# Altium PCB FE1.1S-去丝印.PcbDoc
Units mm, origin at the board's own origin, x right, y up, seen from the top; angles counter-clockwise.
Board outline 60 x 60 mm, 2 copper layers (Top Layer, Bottom Layer), stack 1.569 mm thick; 36 components, 31 nets, 144 pads, 99 vias.
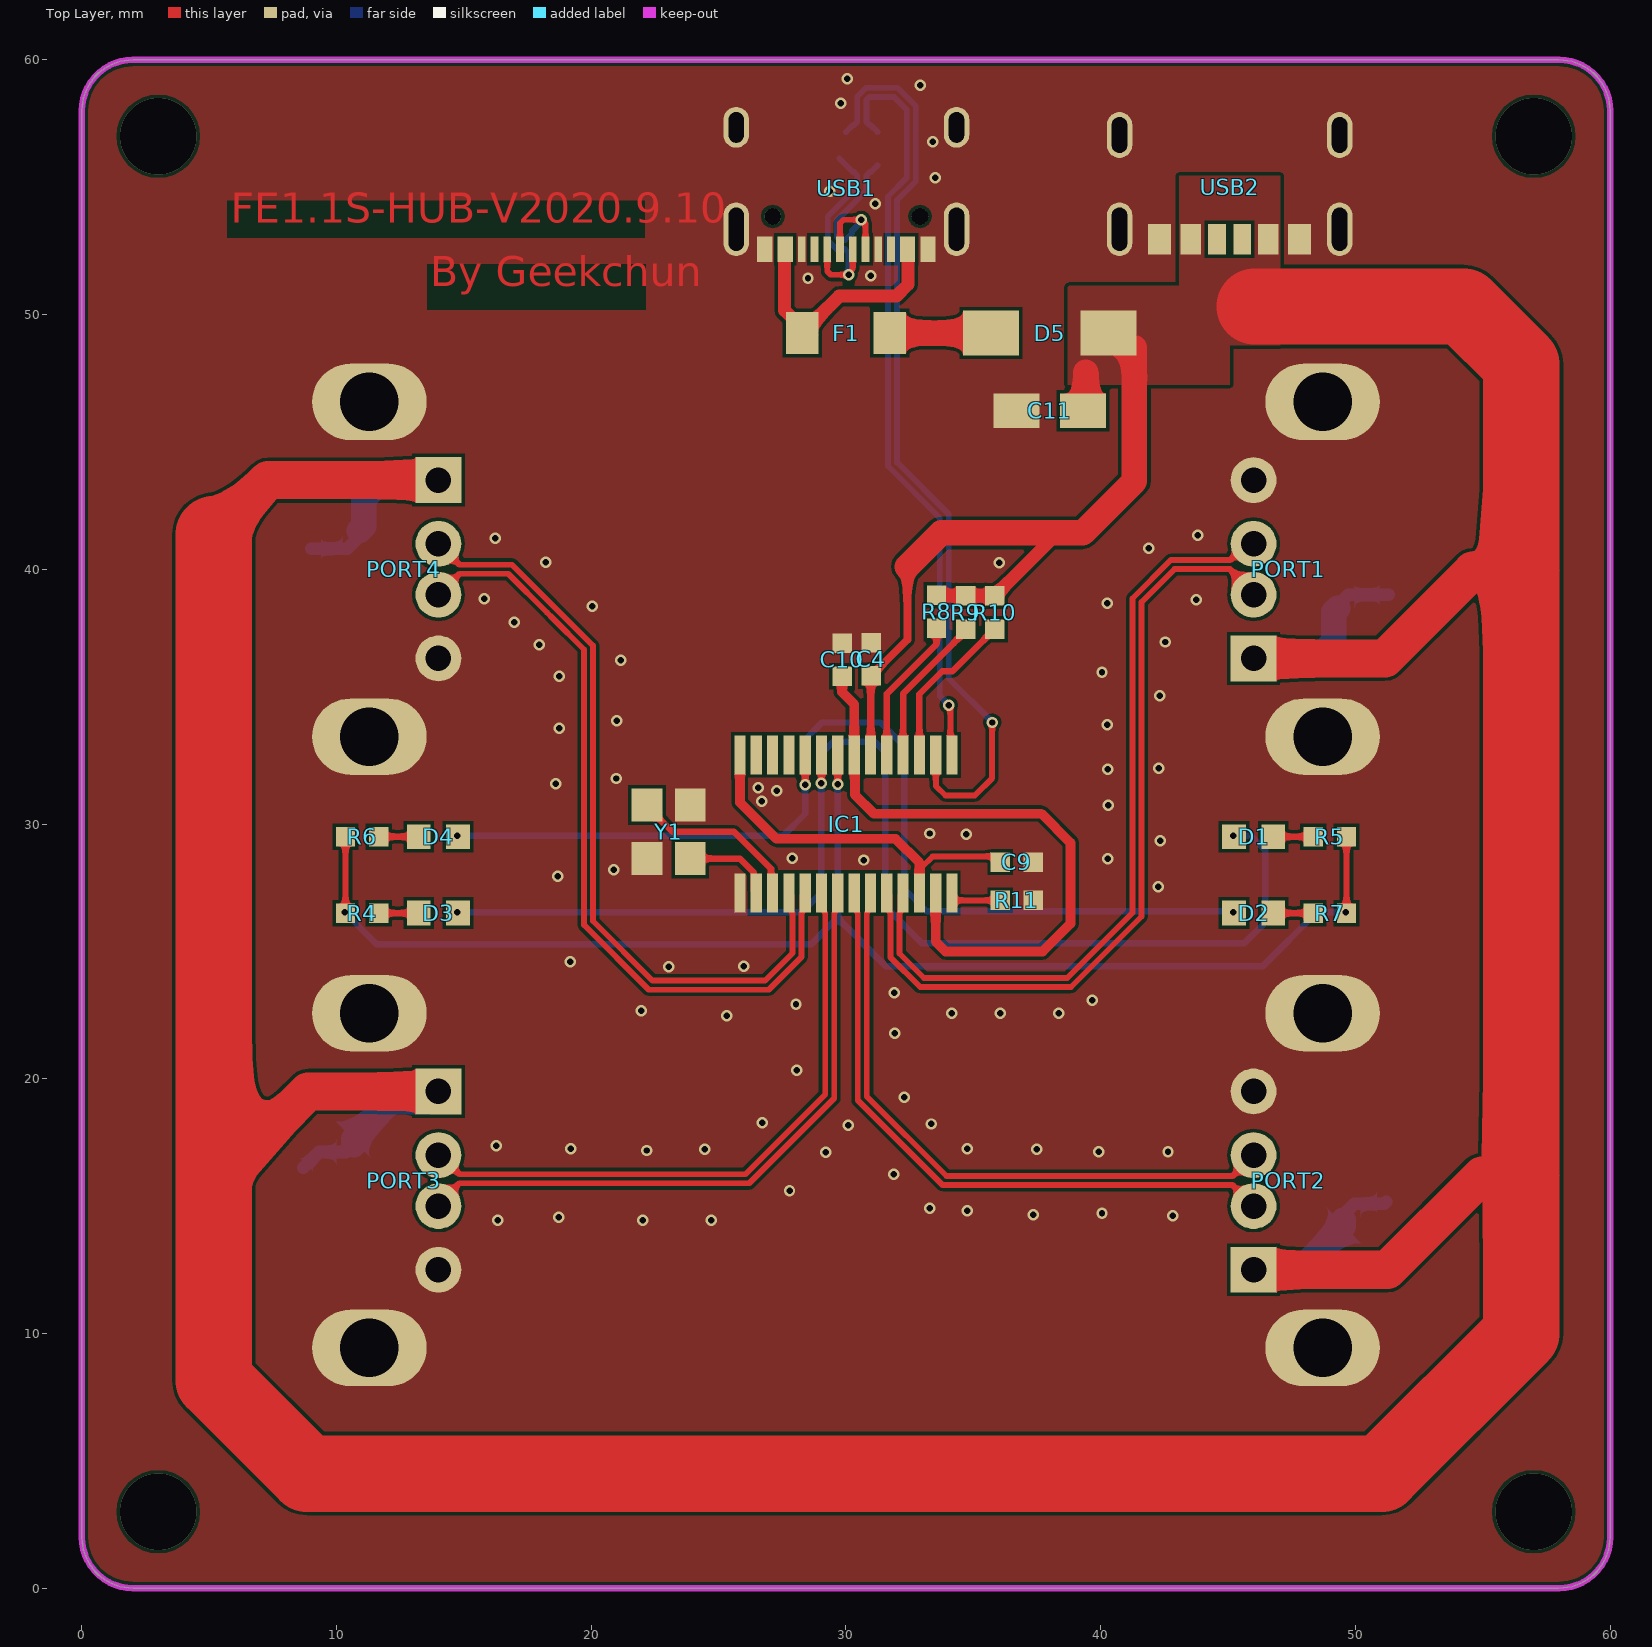
[diagram p0: Top Layer view]
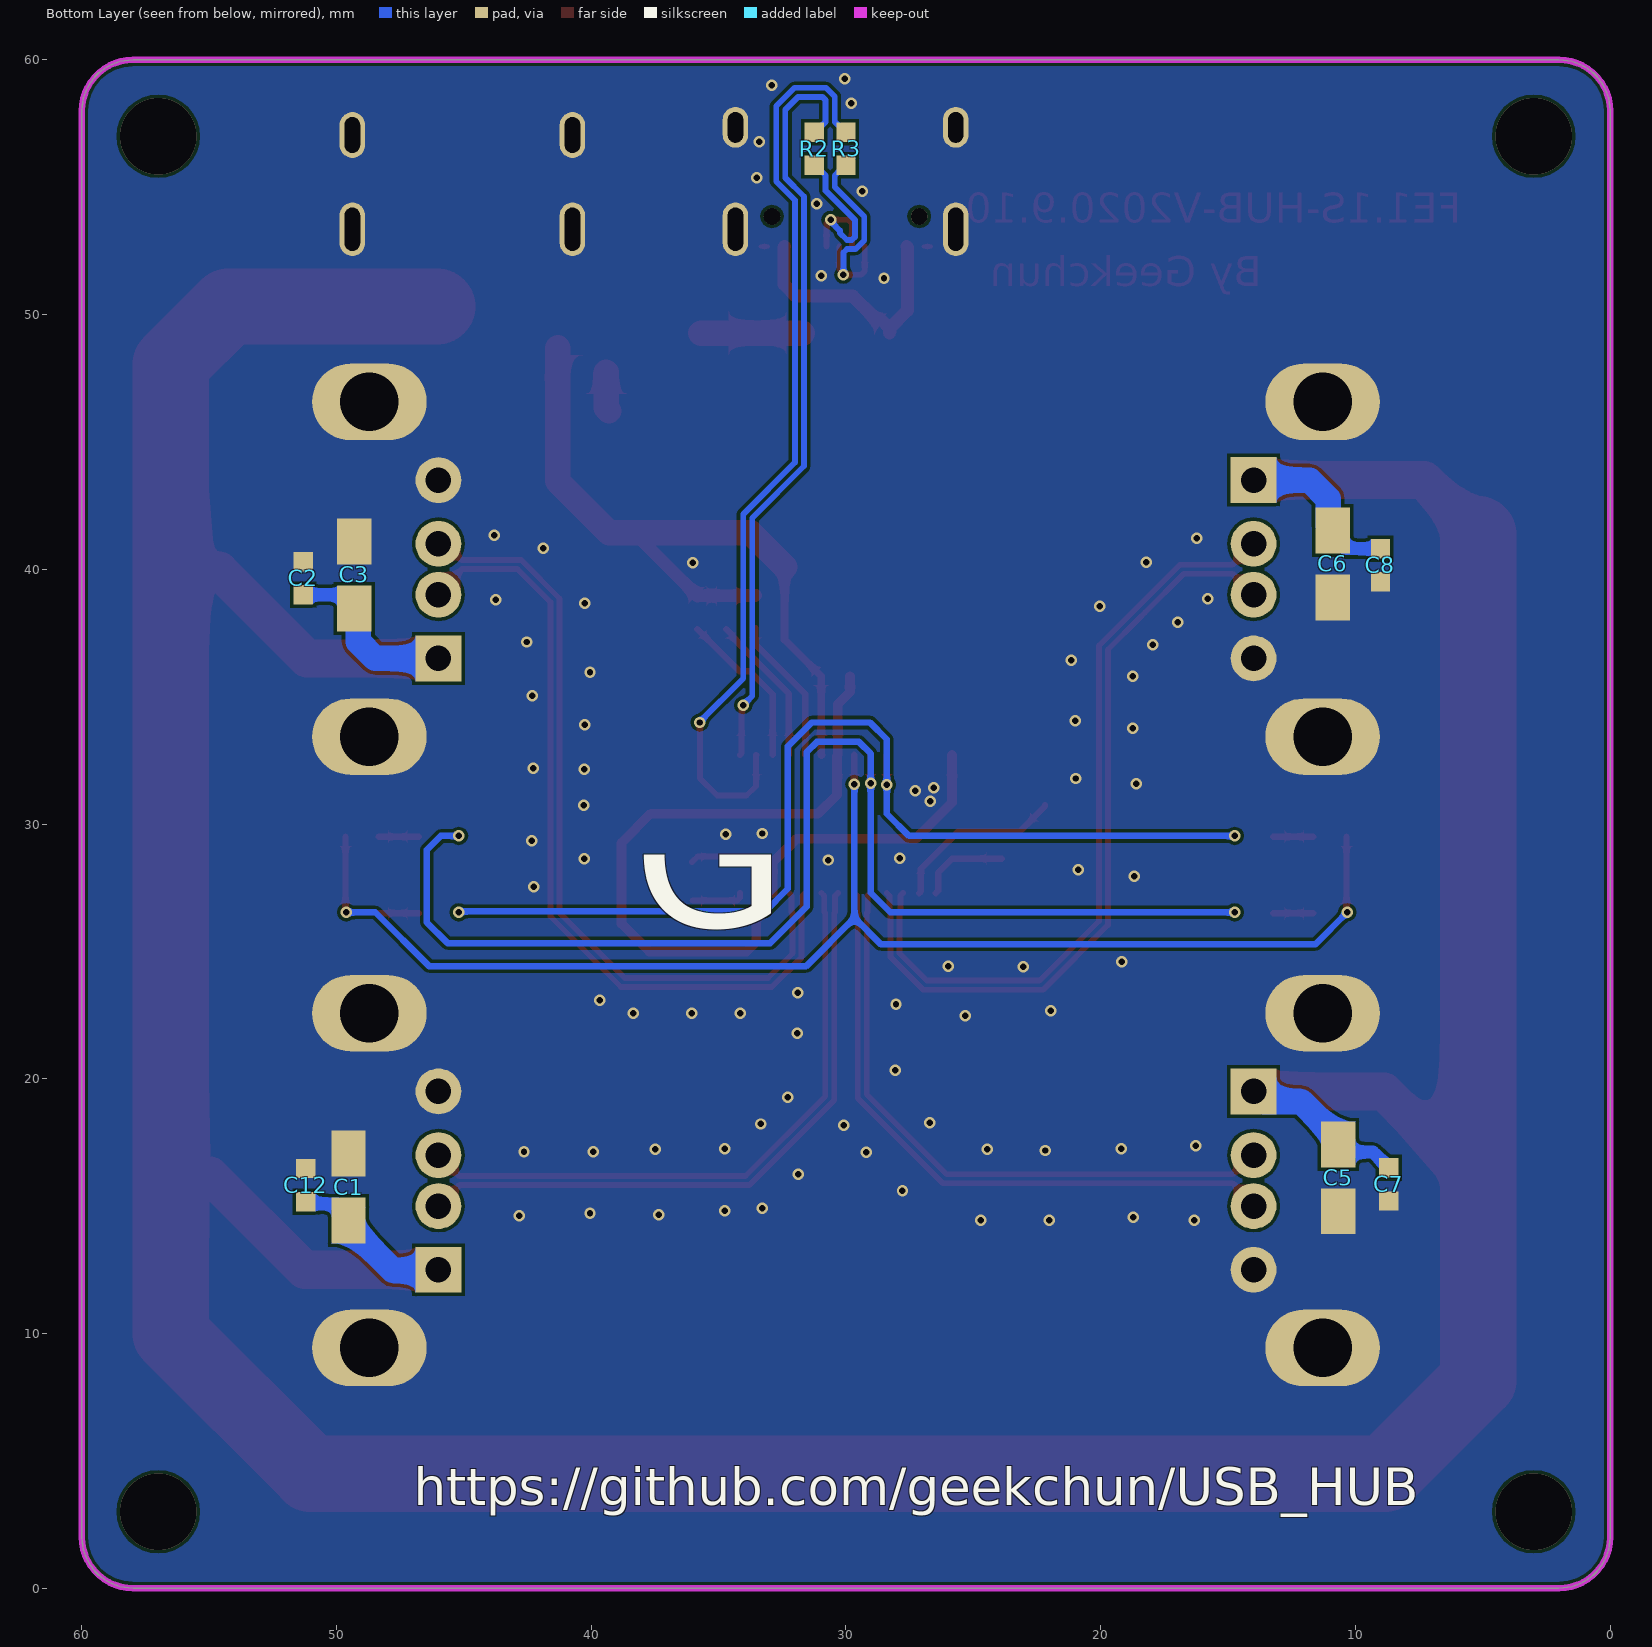
[diagram p1: Bottom Layer view, seen from below]
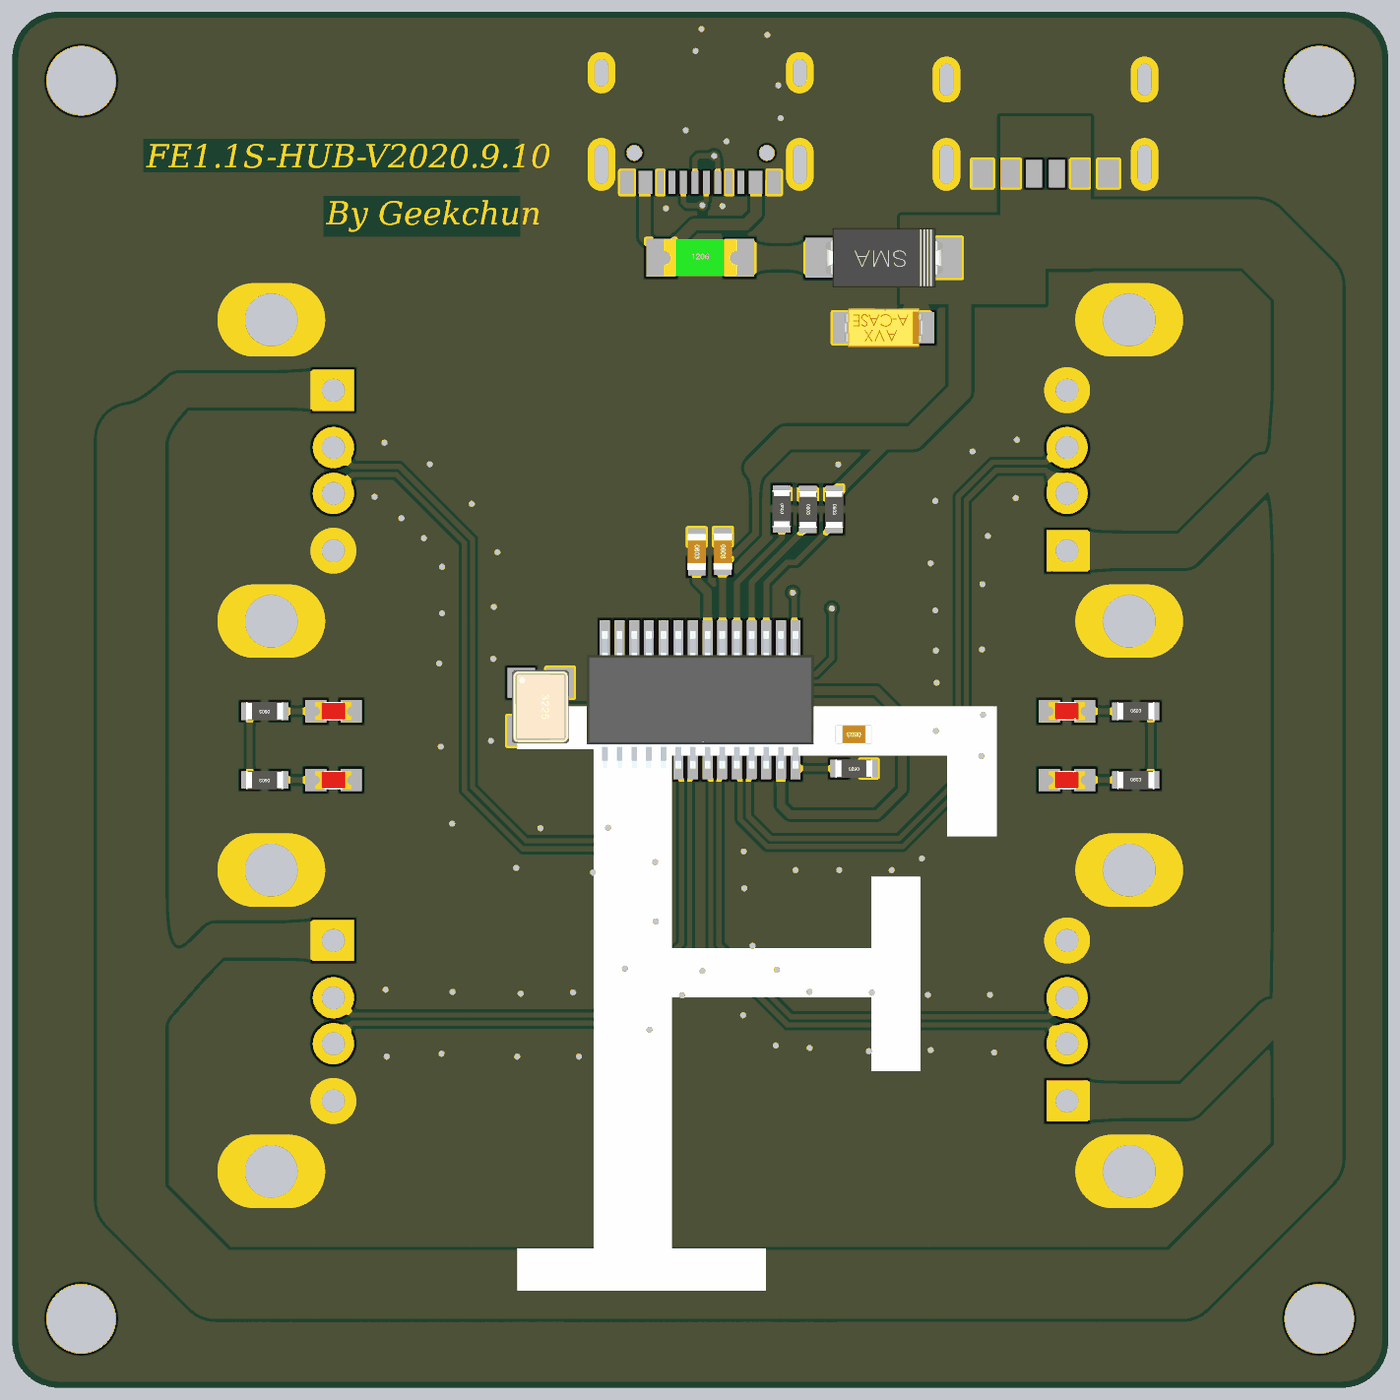
[diagram p2: 3D render of the assembled board from above, using the file's embedded part models]
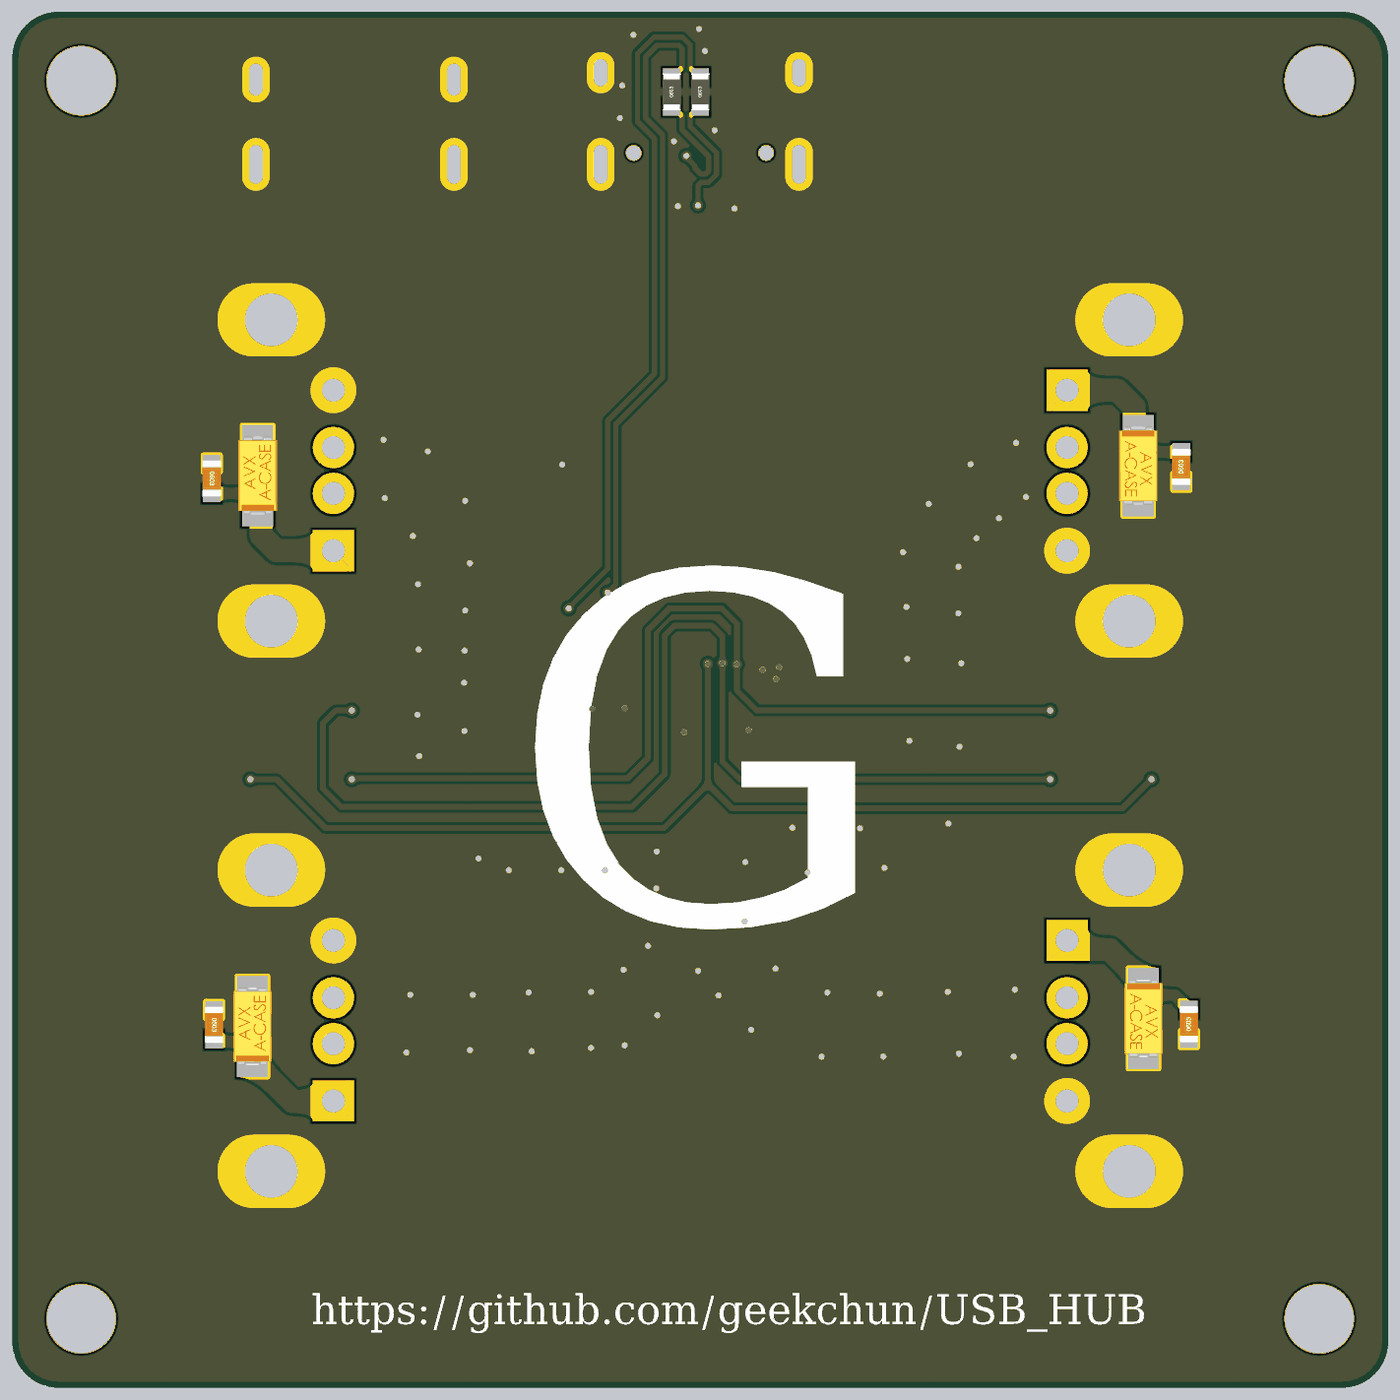
[diagram p3: 3D render of the assembled board from below, using the file's embedded part models]

## Layer stack, top to bottom
Top Solder: solder mask 0.0254, SM-001, Dk 4
Top Layer: signal copper 0.035
Dielectric 1: core 1.4986, Core-043, Dk 4.3
Bottom Layer: signal copper 0.035
Bottom Solder: solder mask 0.0254, SM-001, Dk 4

## Board outline
0,2 0,58 cw(c2,58) 2,60 58,60 cw(c58,58) 60,58 60,2 cw(c58,2) 58,0 2,0 cw(c2,2)

## Design rules (kind name [scope] priority, off if disabled: settings)
Clearance [All] p1: gap=0.127 ignorepadtopadclearanceinfootprint=TRUE
DiffPairsRouting [All] p1: maxlimit=0.127 minlimit=0.127 mostfreqgap=0.127 toplayer_minwidth=0.229 toplayer_maxwidth=0.229 toplayer_prefwidth=0.229 bottomlayer_minwidth=0.229 bottomlayer_maxwidth=0.229 bottomlayer_prefwidth=0.229 maxuncoupledlength=12.7
PolygonConnect [All] p1: connectstyle=Direct reliefconductorwidth=0.254 reliefentries=4 polygonreliefangle="90 Angle" airgapwidth=0.254
RoutingVias [All] p1: holewidth=0.711 width=1.27 viastyle="Through Hole" minholewidth=0.2 minwidth=0.45 maxholewidth=0.711 maxwidth=1.27
SolderMaskExpansion [All] p1: expansion=0.102 istentingtop=FALSE
Width [All] p1: maxlimit=4 minlimit=0.152 preferedwidth=0.305 bottomlayer_prefwidth=0.254 minimp=50.000000 maximp=50.000000 favimp=50.000000
29 further rules are at their usual default settings.

## Classes and differential pairs
differential pair NewDifferentialPair6: +DP4 -DM4
differential pair NewDifferentialPair5: +DP3 -DM3
differential pair NewDifferentialPair4: +DP2 -DM2
differential pair NewDifferentialPair3: +USB_DP -USB_DM
differential pair NewDifferentialPair2: +DP -DN
differential pair NewDifferentialPair1: +DP1 -DM1

## Components (designator, comment, footprint, x,y, rotation, side; value= is the part's Value field where it differs from the comment)
C1 "10uF" CASE-A_3216 49.53,15.748 r270 bottom
C2 "0.1uF" "C 0603_L" 51.308,39.649 r270 bottom
C3 "10uF" CASE-A_3216 49.301,39.776 r270 bottom
C4 "0.1uF" "C 0603_L" 30.988,36.464 r270 top
C5 "10uF" CASE-A_3216 10.668,16.104 r90 bottom
C6 "10uF" CASE-A_3216 10.897,40.208 r90 bottom
C7 "0.1uF" "C 0603_L" 8.687,15.85 r90 bottom
C8 "0.1uF" "C 0603_L" 9.017,40.157 r90 bottom
C9 "0.1uF" "C 0603_L" 36.703,28.499 r180 top
C10 "0.1uF" "C 0603_L" 29.845,36.449 r270 top
C11 "10uF" CASE-A_3216 38,46.228 r0 top
C12 "0.1uF" "C 0603_L" 51.206,15.824 r270 bottom
D1 "蓝灯 0603" 0603_LED_S1 46,29.5 r0 top
D2 "蓝灯 0603" 0603_LED_S1 46,26.5 r0 top
D3 "蓝灯 0603" 0603_LED_S1 14,26.5 r0 top
D4 "蓝灯 0603" 0603_LED_S1 14,29.5 r0 top
D5 "1N5822" SMA 38,49.276 r0 top
F1 "Fuse" "FU 1206" 30,49.276 r0 top
IC1 "FE1.1S" SOP64P600X175-28N 30,30 r90 top
PORT1 "USB2.0" USB-A/S_A 46,40 r0 top
PORT2 "USB2.0" USB-A/S_A 46,16 r0 top
PORT3 "USB2.0" USB-A/S_A 14,16 r180 top
PORT4 "USB2.0" USB-A/S_A 14,40 r180 top
R2 "22R" "R 0603_L" 31.242,56.515 r90 bottom
R3 "22R" "R 0603_L" 30,56.515 r90 bottom
R4 "2K" "R 0603_L" 11,26.5 r180 top
R5 "2K" "R 0603_L" 49,29.5 r0 top
R6 "2K" "R 0603_L" 11,29.5 r180 top
R7 "2K" "R 0603_L" 49,26.5 r0 top
R8 "100K" "R 0603_L" 33.553,38.329 r270 top
R9 "100K" "R 0603_L" 34.696,38.303 r270 top
R10 "100K" "R 0603_L" 35.839,38.303 r270 top
R11 "2.7K" "R 0603_L" 36.703,27 r180 top
USB1 "Type-C" USB_TYPE_C_16P 30,56.15 r90 top
USB2 "TYPE-C-6P" "USB TYPEC6P" 45.06,55 r180 top
Y1 "12MHZ" "OSC 3225-4P" 23.038,29.693 r270 top

## Footprints (in the part's own frame and the unit in brackets; to place one, negate y for a bottom-side part, rotate by r counter-clockwise, add the part's x,y. Pads: shape width x height; smd on the part's side, far side on the other; paste and mask are expansions set on the pad)
0603_LED_S1 [mm]
  rect 0.93x0.98 smd: A(0.77,0) K(-0.77,0)
  body extent -0.8,-0.4 0.8,0.4, height 0.6
"C 0603_L" [mil] "无极性贴片电容"
  rect 30x30 smd: 1(-25.59,0) 2(25.59,0)
  body extent -31,-16 31,16, height 32
CASE-A_3216 [mm]
  rect 1.8x1.35 smd: 1(1.31,0) 2(-1.31,0)
  body extent -1.7,-0.84 1.7,0.84, height 1.71
"FU 1206" [mil] "贴片保险丝"
  rect 50x65 smd: 1(-67.5,0) 2(67.5,0)
  body extent -63,-32 63,32, height 34
"OSC 3225-4P" [mm] "3.2*2.5*0.7mm(长宽高)"
  rect 1.3x1.2 smd: 1(-1.05,-0.85) 2(1.05,-0.85) 3(1.05,0.85) 4(-1.05,0.85)
  body extent -1.6,-1.25 1.6,1.25, height 0.7
"R 0603_L" [mil] "1/10W贴片电阻"
  rect 30x30 smd: 1(-25.59,0) 2(25.59,0)
  body extent -31,-16 31,16, height 16
SMA [mm] "4.5x2.6*2.2mm（长宽高，不包括引脚）"
  rect 2.2x1.75 smd: 1(-2.3,0) 2(2.3,0)
  body extent -2.53,-1.3 2.58,1.3, height 2.15
SOP64P600X175-28N [mm]
  rect 1.525x0.44 smd: 1(-2.712,4.16) 2(-2.712,3.52) 3(-2.712,2.88) 4(-2.712,2.24) 5(-2.712,1.6) 6(-2.712,0.96) 7(-2.712,0.32) 8(-2.712,-0.32) 9(-2.712,-0.96) 10(-2.712,-1.6) 11(-2.712,-2.24) 12(-2.712,-2.88) 13(-2.712,-3.52) 14(-2.712,-4.16) 15(2.712,-4.16) 16(2.712,-3.52) 17(2.712,-2.88) 18(2.712,-2.24) 19(2.712,-1.6) 20(2.712,-0.96) 21(2.712,-0.32) 22(2.712,0.32) 23(2.712,0.96) 24(2.712,1.6) 25(2.712,2.24) 26(2.712,2.88) 27(2.712,3.52) 28(2.712,4.16)
  body extent -3,-4.95 3,4.95, height 1.75
"USB TYPEC6P" [mm]
  rect 0.7x1.2 smd: A5(-0.5,2.05) B5(0.5,2.05)
  rect 0.8x1.2 smd: A9(1.52,2.05) B9(-1.52,2.05)
  rect 0.9x1.2 smd: A12(2.75,2.05) B12(-2.75,2.05)
  oval 1x2.099 hole 0.6 slot 1.7 at 90 deg: MH1(-4.32,1.65) MH2(4.32,1.65)
  oval 1x1.799 hole 0.6 slot 1.4 at 90 deg: MH3(-4.32,-2.05) MH4(4.32,-2.05)
USB-A/S_A [mm] "A型直插母头，"
  rect 1.8x1.8 hole 1: 1(0,-3.5)
  round 1.8 hole 1: 2(0,-1) 3(0,1) 4(0,3.5)
  oval 4.5x3 hole 2.3: 4(2.71,-6.57) 4(2.71,6.57)
  body extent -0.6,-7.34 13.7,7.34, height 6.8
USB_TYPE_C_16P [mm]
  round 0.65 hole 0.65: 0(-2.299,-2.905) 0(-2.299,2.875)
  oval 1.6x1 hole 0.6 slot 1.2 at 0 deg: 1(1.201,4.31) 2(1.201,-4.34)
  oval 2.1x1 hole 0.6 slot 1.7 at 0 deg: 3(-2.799,-4.34) 4(-2.799,4.31)
  rect 1x0.3 smd: A1(-3.589,-3.365) A4(-3.589,-2.565) A5(-3.589,-1.265) A6(-3.589,-0.265) A7(-3.589,0.235) A8(-3.589,1.235) A9(-3.589,2.535) A12(-3.589,3.335) B1(-3.589,3.035) B4(-3.589,2.235) B5(-3.589,1.735) B6(-3.589,0.735) B7(-3.589,-0.765) B8(-3.589,-1.765) B9(-3.589,-2.265) B12(-3.589,-3.065)

## Part data
C1 C3 C5 C6 C11: library part "3216 10uF (106) 10% 16V", "钽电容", Package=3216, SuppliersPartNumber=C7171, ComponentLink1Description=供应商链接, ComponentLink1URL=http://www.szlcsc.com/product/details_7643.html, Supplier=LC
C2 C4 C7 C8 C12: library part "0603 2.2uF (225) 10% 16V", "贴片电容", Package=0603, SuppliersPartNumber=C23630, ComponentLink1Description=供应商链接, ComponentLink1URL=http://www.szlcsc.com/product/details_24366.html, Supplier=LC
C9 C10: library part "0603 1.2nF (122) 10% 50V", "贴片电容", Package=0603, SuppliersPartNumber=C30615, ComponentLink1Description=供应商链接, ComponentLink1URL=http://www.szlcsc.com/product/details_31372.html, Supplier=LC
D1 D2 D3 D4: library part "0603 蓝灯", "发光二极管", Package=0603, SuppliersPartNumber=C72041, ComponentLink1Description=供应商链接, ComponentLink1URL=http://www.szlcsc.com/product/details_73150.html, Supplier=LC
D5: library part "Diode 1N5400", "3 Amp General Purpose Rectifier", ComponentLink1Description="Manufacturer Link", ComponentLink1URL=http://www.fairchildsemi.com/, ComponentLink2Description=Datasheet, ComponentLink2URL=http://www.fairchildsemi.com/ds/1N%2F1N5400.pdf, DatasheetVersion=1998, LatestRevisionDate=17-Jul-2002, LatestRevisionNote="Re-released for DXP Platform.", PackageDescription="Diode, Axial; Body 9.5 x 5.6 mm (LxDia. max), Lead Dia. 1.32 mm (max)", PackageReference=DO-201AD, PackageVersion=Aug-1999, Published=8-Jun-2000, Publisher="Altium Limited"
F1: Manufacturer="TE Connectivity", PartNumber=NANOSMDC020F-2, Supplier Part Number 1=NANOSMDC020F-2CT-ND, ComponentLink1Description="Datasheet URL", ComponentLink1URL=http://www.te.com/commerce/DocumentDelivery/DDEController?Action=srchrtrv&DocNm=SCD25536&DocType=Customer+Drawing&DocLang=English, CompType=Fuse, LatestRevisionDate=2015-11-23, MountType=SMT, PackageReference=1206, Published=2009-03-05, Publisher="Texas Instruments", ROHS=Y, Rtyp_Ohm=1.875, Supplier 1=Digi-Key, Supplier 2=Mouser, Supplier 3=Farnell, Supplier Part Number 2=650-NANOSMDC020F-2, Supplier Part Number 3=1345939, SymbolCreator=a0412235, SymbolVersion=2013-04-02, VDC_V=24
IC1: "Integrated Circuit", Manufacturer_Name="JFD IC", Arrow Part Number=FE1.1S, Datasheet Link=https://cdn-shop.adafruit.com/product-files/2991/FE1.1s+Data+Sheet+(Rev.+1.0).pdf, Height=1.75mm, Manufacturer_Part_Number=FE1.1S
PORT1 PORT2 PORT3 PORT4: library part USB2.0_1
R2 R3: library part RES
R4 R5 R6 R7 R8 R9 R10 R11: library part "0603 1.1KΩ (1101) 1%", "贴片电阻", Package=0603, SuppliersPartNumber=C22764, ComponentLink1Description=供应商链接, ComponentLink1URL=http://www.szlcsc.com/product/details_23491.html, Supplier=LC
USB2: library part TYPE-C-31-M-17, "Connector", Manufacturer_Name="Korean Hroparts Elec", Arrow Part Number=TYPE-C-31-M-17, Datasheet Link=https://datasheet.lcsc.com/szlcsc/1903211732_Korean-Hroparts-Elec-TYPE-C-31-M-17_C283540.pdf, Height=3.26mm, Manufacturer_Part_Number=TYPE-C-31-M-17
Y1: library part "SMD-3225_4P  12MHZ 20PF 10PPM", "贴片晶振", Package=SMD-3225_4P, SuppliersPartNumber=C9002, ComponentLink1Description=供应商链接, ComponentLink1URL=http://www.szlcsc.com/product/details_9522.html, Supplier=LC

## Via types
v1: diameter 0.45, hole 0.254, Top Layer to Bottom Layer, tented both sides, 95 vias
v2: diameter 3, hole 3, Top Layer to Bottom Layer, 4 vias

## Nets (pads, with @x,y where several pads share a name; then routed paths per layer and width w, separated by ;. In a path a pad name is that pad's centre, name@x,y a point inside that pad or via, vN(x,y) a via of type N, cw(c..) or ccw(c..) an arc to the next point about the centre after c; other vN are vias at no path point)
1.8V: C9.2 IC1.12 IC1.28 | length 15.5
  Top Layer w0.229: IC1.12 32.986,27.394 32.986,28.312 33.401,28.727 35.825,28.727 C9.2
  Top Layer w0.381: IC1.28 25.84,30.841 27.264,29.417 31.949,29.417 32.88,28.486 32.88,28.312 IC1.12
3.3V: C10.2 IC1.13 IC1.21 | length 25.1
  Top Layer w0.381: C10.2 29.845,35.179 30.32,34.704 IC1.21 30.349,32.683 30.349,31.144 31.09,30.404 37.668,30.404 38.811,29.261 38.811,26.086 37.719,24.994 33.909,24.994 33.52,25.383 IC1.13
5V: C1.1 C2.2 C3.1 C4.2 C5.1 C6.1 C7.2 C8.2 C11.1 C12.2 D5.2 IC1.20 PORT1.1 PORT2.1 PORT3.1 PORT4.1 R8.1 R9.1 R10.1 USB2.A9 USB2.B9 | length 239.8
  Top Layer w0.305: IC1.20 30.974,32.726 30.974,35.8 C4.2 32.41,37.236 32.41,40.107
  Top Layer w0.5: R8.1 33.566,38.966 34.696,38.966 35.827,38.966 R10.1 37.948,41.062 37.948,41.427
  Top Layer w1: 32.41,40.107 33.731,41.427 37.948,41.427 39.294,41.427 41.326,43.459 D5.2@41.326,48.704 ; C11.1 39.421,46.339 39.421,47.727
  Top Layer w1.5: 5.182,15.799 8.883,19.5 PORT3.1 ; 5.182,41.377 7.305,43.5 PORT4.1 ; PORT2.1 51.26,12.5 54.966,16.205 56.515,16.205 ; PORT1.1 51.156,36.5 54.61,39.954 56.515,39.954
  Top Layer w3: 5.182,41.377 5.182,15.799 5.182,8.153 8.839,4.496 51.029,4.496 56.515,9.982 56.515,16.205 56.515,39.954 56.515,48.057 54.254,50.317 46.05,50.317
  Bottom Layer w0.5: C7.2 9.307,17.12 10.374,17.12 C5.1 ; C8.2 10.411,40.807 10.897,41.293 C6.1 ; C3.1 49.301,38.574 49.726,38.999 C2.2 ; C1.1 49.53,14.663 49.955,15.088 51.12,15.088 C12.2
  Bottom Layer w1: C5.1 10.668,17.639 12.129,19.1 13.6,19.1 PORT3.1 ; C6.1 11.072,41.693 11.072,42.771 11.801,43.5 PORT4.1 ; PORT2.1 46.029,12.471 47.788,12.471 49.53,14.213 C1.1 ; PORT1.1 48.489,36.5 49.149,37.16 49.149,38.314 C3.1
DM1: IC1.10 PORT1.2 | length 31.8
  Top Layer w0.229: IC1.10 31.706,27.182 31.706,26.542 31.742,26.506 31.742,24.77 32.916,23.597 38.831,23.597 41.605,26.37 41.605,38.71 42.901,40.005 45.071,40.005 46,39.076 PORT1.2
DM2: IC1.8 PORT2.2 | length 25.4
  Top Layer w0.229: IC1.8 30.426,27.182 30.426,26.542 30.462,26.506 30.462,19.157 33.797,15.822 45.178,15.822 PORT2.2
DM3: IC1.6 PORT3.2 | length 24.8
  Top Layer w0.229: PORT3.2 14.071,17 14.82,16.251 26.056,16.251 29.182,19.378 29.182,26.506 29.146,26.542 29.146,27.182 IC1.6
DM4: IC1.4 PORT4.2 | length 30.2
  Top Layer w0.229: PORT4.2 14.822,40.178 16.891,40.178 20.066,37.003 20.066,26.187 22.403,23.851 26.822,23.851 27.902,24.93 27.902,26.506 27.866,26.542 27.866,27.182 IC1.4
DN: R2.1 USB1.A7 USB1.B7 | length 7.9
  Top Layer w0.229: USB1.A7@29.765,52.672 29.765,53.587 29.899,53.721 v1(30.607,53.721) 30.765,53.563 USB1.B7@30.765,52.672
  Bottom Layer w0.229: v1(30.607,53.721) 30.607,53.661 30.241,53.295 30.241,53.201 29.965,52.925 29.776,52.925 29.642,53.058 29.642,53.705 30.799,54.862 30.799,55.464 30.933,55.598 30.975,55.598 R2.1
DP: R3.1 USB1.A6 USB1.B6 | length 8.9
  Top Layer w0.229: USB1.B6@29.265,52.672 29.265,51.696 29.399,51.562 v1(30.099,51.562) 30.099,51.622 30.265,51.788 USB1.A6@30.265,52.672
  Bottom Layer w0.229: R3.1@29.733,56.134 29.733,56.132 R3.1 30.267,55.598 30.309,55.598 30.443,55.464 30.443,55.01 29.286,53.853 29.286,52.911 29.628,52.569 29.965,52.569 30.099,52.435 v1(30.099,51.562)
DP1: IC1.11 PORT1.3 | length 31
  Top Layer w0.229: IC1.11 32.134,27.182 32.134,26.542 32.098,26.506 32.098,24.917 33.063,23.952 38.684,23.952 41.25,26.518 41.25,38.857 42.753,40.361 45.08,40.361 45.72,41 PORT1.3
DP2: IC1.9 PORT2.3 | length 24.9
  Top Layer w0.229: IC1.9 30.854,27.182 30.854,26.542 30.818,26.506 30.818,19.304 33.944,16.178 45.178,16.178 PORT2.3
DP3: IC1.7 PORT3.3 | length 25.5
  Top Layer w0.229: PORT3.3 14,15.076 14.82,15.896 26.203,15.896 29.538,19.231 29.538,26.506 29.574,26.542 29.574,27.182 IC1.7
DP4: IC1.5 PORT4.3 | length 30.8
  Top Layer w0.229: PORT4.3 14.822,39.822 16.744,39.822 18.263,38.303 18.484,38.082 19.71,36.855 19.71,26.04 22.256,23.495 26.97,23.495 28.258,24.783 28.258,26.506 28.294,26.542 28.294,27.182 IC1.5
DRV: IC1.22 R4.2 R5.2 R6.2 R7.2 | length 54.3
  Top Layer w0.254: R4.2 R6.2 ; v1(29.667,31.569) 29.674,31.575 29.674,32.706 IC1.22 ; R7.2 R5.2
  Bottom Layer w0.254: v1(10.319,26.531) 11.577,25.273 28.626,25.273 29.667,26.314 ; v1(29.667,31.569) 29.667,26.314 ; v1(49.619,26.531) 48.477,26.531 46.355,24.409 31.572,24.409 29.667,26.314
GND: C1.2 C2.1 C3.2 C4.1 C5.2 C6.2 C7.1 C8.1 C9.1 C10.1 C11.2 C12.1 IC1.1 PORT1.4 PORT2.4 PORT3.4 PORT4.4 R11.1 USB1.1 USB1.2 USB1.3 USB1.4 USB1.A1 USB1.A5 USB1.A12 USB1.B1 USB1.B5 USB1.B12 USB2.A12 USB2.B12 USB2.MH1 USB2.MH2 USB2.MH3 USB2.MH4 Y1.2 Y1.4 | length 0.6
  Top Layer w0.152: USB1.A12@26.665,52.672 USB1.B1@26.965,52.672 ; USB1.B12@33.065,52.672 USB1.A1@33.365,52.672
  other v1: 16.327,14.438 22.017,14.438 24.709,14.438 18.715,14.565 42.819,14.616 37.358,14.667 40.051,14.717 34.767,14.819 33.294,14.921 27.782,15.606 31.872,16.241 29.205,17.105 39.924,17.13 42.641,17.13 22.169,17.181 24.455,17.232 37.485,17.232 19.197,17.257 34.767,17.257 16.276,17.359 30.094,18.172 33.345,18.223 26.716,18.273 32.278,19.264 28.062,20.331 31.923,21.779 25.319,22.464 34.158,22.566 36.063,22.566 38.349,22.566 21.966,22.668 28.036,22.922 39.67,23.074 31.897,23.379 23.033,24.395 25.979,24.42 19.172,24.598 42.26,27.544 18.689,27.951 20.874,28.205 30.703,28.586 40.279,28.637 27.884,28.662 42.337,29.348 34.717,29.602 33.294,29.627 40.305,30.745 26.69,30.897 27.274,31.304 26.563,31.431 18.613,31.583 20.975,31.786 40.279,32.142 42.286,32.193 18.74,33.767 40.254,33.894 21.001,34.047 42.311,35.037 18.74,35.799 40.051,35.952 21.153,36.434 17.953,37.044 42.54,37.146 16.97,37.917 20.035,38.543 40.254,38.67 43.759,38.797 15.794,38.847 36.022,40.257 18.207,40.27 41.879,40.829 16.225,41.21 43.81,41.337 28.508,51.43 30.972,51.531 31.145,54.354 29.367,54.837 33.507,55.37 33.406,56.793 29.799,58.291 32.923,59.002 30.053,59.256
LED1: D1.K D3.A IC1.23 | length 50.3
  Top Layer w0.254: v1(29.032,31.594) 29.036,31.598 29.036,32.708 IC1.23
  Bottom Layer w0.254: v1(14.739,26.531) 28.258,26.531 29.032,27.305 v1(29.032,31.594) 29.032,32.766 29.489,33.223 31.14,33.223 31.547,32.817 31.547,26.746 32.969,25.324 45.644,25.324 46.457,26.137 46.457,28.981 45.907,29.531 v1(45.199,29.531)
LED2: D2.K D4.A IC1.24 | length 41.5
  Top Layer w0.254: v1(28.397,31.544) 28.399,31.545 28.399,32.711 IC1.24
  Bottom Layer w0.254: v1(14.739,29.531) 27.524,29.531 28.397,30.404 v1(28.397,31.544) 28.397,33.325 29.058,33.985 31.344,33.985 32.283,33.045 32.283,27.457 33.172,26.568 45.162,26.568 v1(45.199,26.531)
NetD1_A: D1.A R5.1 | length 1.6
  Top Layer w0.254: D1.A R5.1
NetD2_A: D2.A R7.1 | length 1.6
  Top Layer w0.254: D2.A R7.1
NetD3_K: D3.K R4.1 | length 1.6
  Top Layer w0.254: R4.1 D3.K
NetD4_K: D4.K R6.1 | length 1.6
  Top Layer w0.254: R6.1 D4.K
NetD5_1: D5.1 F1.2 | length 4
  Top Layer w1: F1.2 D5.1
NetIC1_2: IC1.2 Y1.3 | length 3.6
  Top Layer w0.254: Y1.3 25.827,28.643 26.387,28.083 26.387,27.381 IC1.2
NetIC1_3: IC1.3 Y1.1 | length 6.9
  Top Layer w0.254: Y1.1 22.188,30.693 23.188,29.693 25.603,29.693 27.057,28.239 27.057,27.351 IC1.3
NetIC1_14: IC1.14 R11.2 | length 2.1
  Top Layer w0.229: IC1.14 34.16,27.106 34.266,27 R11.2@36.028,27
NetIC1_17: IC1.17 R10.2 | length 6.4
  Top Layer w0.254: IC1.17 32.88,35.09 33.782,35.992 34.178,35.992 R10.2
NetIC1_18: IC1.18 R9.2 | length 6
  Top Layer w0.254: IC1.18 32.24,35.115 34.442,37.318 34.442,37.399 R9.2
NetIC1_19: IC1.19 R8.2 | length 5.8
  Top Layer w0.254: IC1.19 31.6,35.105 33.553,37.059 R8.2
USB_DM: IC1.15 R2.2 | length 30
  Top Layer w0.229: v1(34.036,34.671) 34.098,34.609 34.098,32.774 IC1.15
  Bottom Layer w0.229: R2.2 30.975,57.432 30.933,57.432 30.799,57.566 30.799,58.413 30.933,58.547 31.877,58.547 32.385,58.039 32.385,55.372 31.646,54.633 31.646,44.051 33.68,42.017 33.68,35.027 v1(34.036,34.671)
USB_DP: IC1.16 R3.2 | length 36.5
  Top Layer w0.229: IC1.16 33.528,32.704 33.528,31.496 33.909,31.115 35.052,31.115 35.738,31.801 v1(35.738,33.985)
  Bottom Layer w0.229: R3.2 30.267,57.432 30.309,57.432 30.443,57.566 30.443,58.56 30.785,58.903 32.024,58.903 32.741,58.186 32.741,55.225 32.001,54.486 32.001,44.199 34.036,42.164 34.036,35.712 35.738,34.011 v1(35.738,33.985)
VCC: F1.1 USB1.A4 USB1.A9 USB1.B4 USB1.B9 | length 10.8
  Top Layer w0.152: F1.1@27.765,49.796 F1.1
  Top Layer w0.508: 27.615,52.672 27.584,52.641 27.584,50.168 F1.1@28.286,49.466 ; F1.1 F1.1@28.286,49.466 ; 32.415,52.672 32.436,52.652 32.436,51.181 31.979,50.724 29.733,50.724 28.857,49.847 28.667,49.847 F1.1@28.286,49.466
pads on no net: IC1.25 IC1.26 IC1.27 USB1.0 USB1.A8 USB1.B8 USB2.A5 USB2.B5
copper on no net:
  other v2: 3,3 57,3 3,57 57,57

## Polygon pours and split planes (outlines as drawn)
GND on Top Layer "GND_L01_P001" (solid, remove dead copper, pour order 1): -3.251,62.027 -3.251,-2.134 66.218,-2.134 66.421,-1.93 66.421,62.128 -3.785,62.128
5V on Top Layer "5V_L01_P000" (solid, remove dead copper, pour order 0): 43.078,55.448 43.078,51.13 38.76,51.13 38.71,51.079 38.71,47.244 45.06,47.244 45.06,48.793 47.041,48.793 47.041,50.165 47.041,55.448
GND on Bottom Layer "GND_L02_P002" (solid, remove dead copper, pour order 2): -3.034,61.924 -3.034,-2.236 66.435,-2.236 66.638,-2.033 66.638,62.026 -3.567,62.026

## Keep-outs
Keep-Out Layer:
  the board outline again, w0.254

## Other copper
Top Layer:
  text "FE1.1S-HUB-V2020.9.10" at 5.842,53.211 h2
  text "By Geekchun" at 13.687,50.723 h2

## Silkscreen, mask and mechanical layers (free items; w line width, h text height)
Top Overlay:
  text "F" at 20.066,4.216 h50
Bottom Overlay:
  text "G" at 38.379,20.269 h30
  text "https://github.com/geekchun/USB_HUB" at 46.962,2.773 h2.53
Top Solder:
  text "FE1.1S-HUB-V2020.9.10" at 5.842,53.211 h2
  text "By Geekchun" at 13.687,50.723 h2
Mechanical 1:
  the board outline again, w0.254